# KiCad board Azimuth_PCB (1).kicad_pcb (continued)
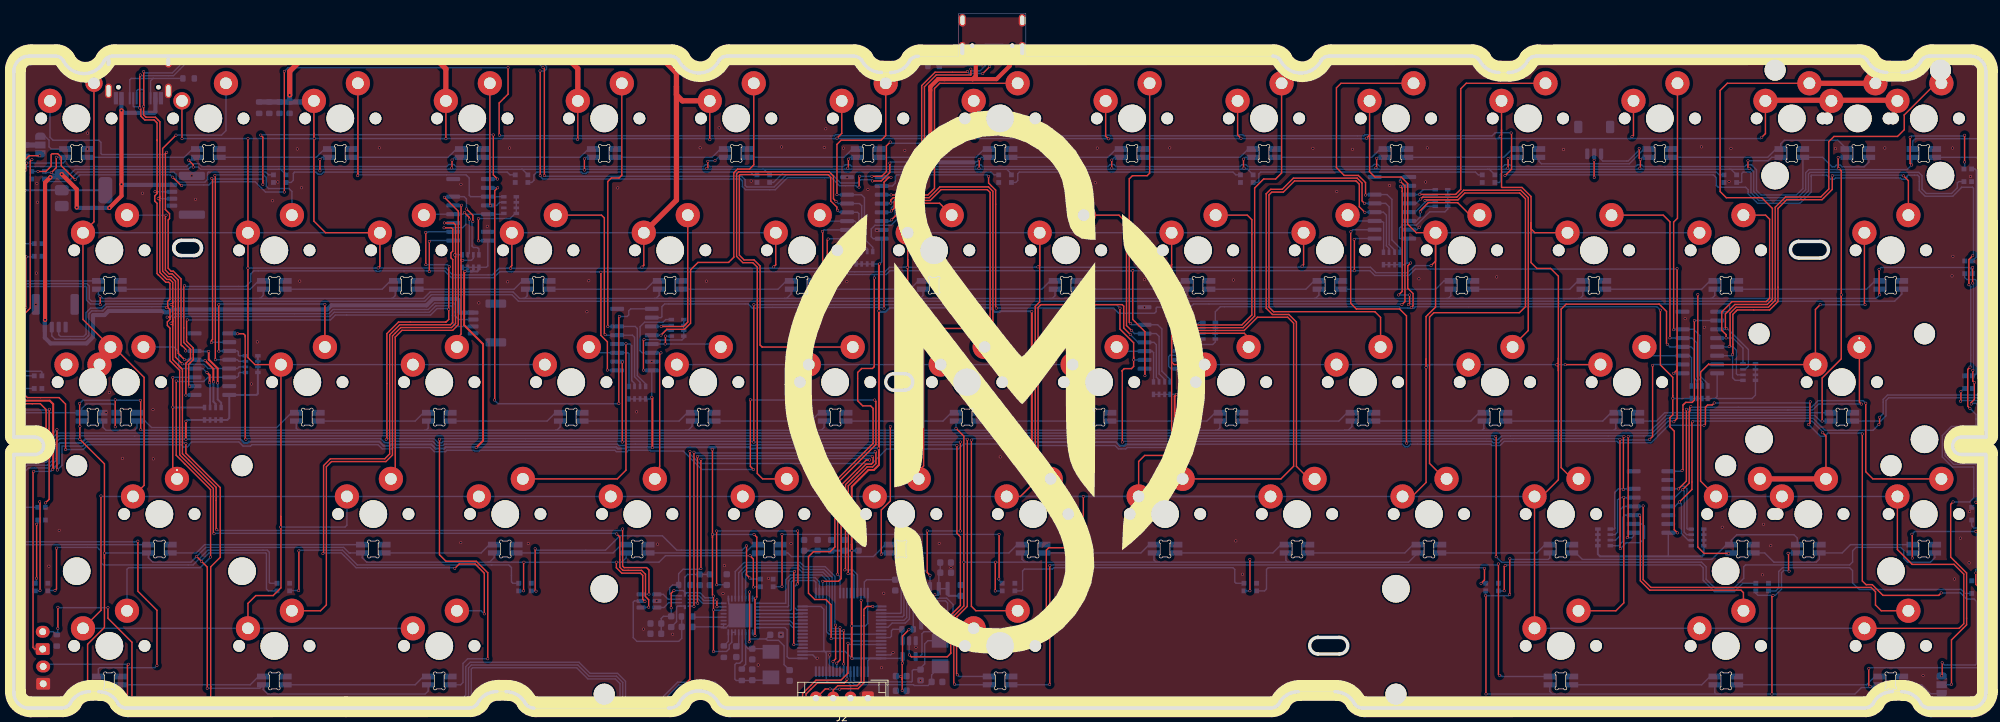
[diagram p0: board, top side]
## Routing (per net, layer and track width the routed paths; a pad name or vN(x,y) marks a point on that pad's centre or on a via; arc(x,y) is an arc through that point) (continued)
Net-(SW36-DOUT): length 16.3
  Bottom w0.2: SW37.4 173.43,42.67 172.23,41.47 SW36.5
Net-(SW37-DOUT): length 16.3
  Bottom w0.2: SW37.5 191.28,41.47 192.48,42.67 SW38.4
Net-(SW38-DOUT): length 16.3
  Bottom w0.2: SW38.5 210.33,41.47 211.53,42.67 SW39.4
Net-(SW39-DOUT): length 16.3
  Bottom w0.2: SW40.4 230.58,42.67 229.38,41.47 SW39.5
Net-(SW40-DOUT): length 28.3
  Bottom w0.2: SW40.5 237.13,41.47 238.33,42.67 SW41.4
Net-(SW41-DOUT): length 69.3
  Bottom w0.2: 284.11,74.6 284.11,45.42 283.53,44.83 270.66,44.83 270.27,44.44 270.27,42.23 269.51,41.47 SW41.5 ; 284.11,74.6 284.11,74.6 ; 284.11,74.6 284.11,81.6 283.45,82.26 274.49,82.26 274.13,81.9 SW42.4
Net-(SW42-DOUT): length 361.6
  Top w0.2: v1(269.25,40.97) 269.35,41.08 v1(269.35,42.02)
  Bottom w0.2: v1(269.35,42.02) 269.87,42.54 269.87,44.61 270.49,45.23 283.36,45.23 283.71,45.58 283.71,77.57 283.71,79.18 283.31,79.57 SW42.5 ; v1(269.25,40.97) 268.41,40.14 261.49,40.14 259.75,41.87 238.66,41.87 236.53,39.74 6.31,39.74 5.28,38.7 5.28,36.1 4.68,35.5 1.8,35.5 0.73,34.43 0.73,24.27 1.37,23.62 SW43.4
Net-(SW43-DOUT): length 28.2
  Bottom w0.2: SW43.5 26.34,22.42 27.54,23.62 SW44.4
Net-(SW44-DOUT): length 16.3
  Bottom w0.2: SW44.5 67.46,22.42 68.66,23.62 SW45.4
Net-(SW45-DOUT): length 16.3
  Bottom w0.2: SW46.4 87.71,23.62 86.51,22.42 SW45.5
Net-(SW46-DOUT): length 16.3
  Bottom w0.2: 91.59,22.42 105.56,22.42 106.76,23.62 SW47.4
Net-(SW47-DOUT): length 16.8
  Bottom w0.2: SW47.5 111.74,22.42 112.26,21.9 124.09,21.9 125.81,23.62 SW48.4
Net-(SW48-DOUT): length 16.3
  Bottom w0.2: SW48.5 143.66,22.42 144.86,23.62 SW49.4
Net-(SW49-DOUT): length 16.3
  Bottom w0.2: SW49.5 162.71,22.42 163.91,23.62 SW50.4
Net-(SW50-DOUT): length 16.3
  Bottom w0.2: SW50.5 181.76,22.42 182.96,23.62 183.64,23.62
Net-(SW51-DOUT): length 16.3
  Bottom w0.2: SW52.4 202.01,23.62 200.81,22.42 SW51.5
Net-(SW52-DOUT): length 16.3
  Bottom w0.2: SW53.4 221.06,23.62 219.86,22.42 SW52.5
Net-(SW55-DOUT): length 362.9
  Top w0.2: v1(214,21.87) 214,39.18 v1(213.94,39.24) ; v1(17.91,24.12) 17.91,16.89 20.66,14.14 v1(20.66,6.16)
  Bottom w0.2: v1(17.91,24.12) 17.81,24.02 1.54,24.02 1.13,24.44 1.13,34.27 1.96,35.1 4.84,35.1 5.68,35.94 5.68,38.54 6.48,39.34 17.45,39.34 17.4,39.34 213.84,39.34 v1(213.94,39.24) ; SW56.4 12.19,5.66 12.38,5.84 20.34,5.84 v1(20.66,6.16) ; v1(214,21.87) 214.78,21.09 243.64,21.09 244.31,20.42 244.31,18.62 245.7,17.23 245.7,17.22 248.2,17.22 249.74,18.76 249.74,20.42 250,20.69 265.02,20.69 265.46,21.12 265.46,22.73 265.95,23.22 272.38,23.22 272.84,22.77 272.84,21.64 273.39,21.09 276.68,21.09 277.33,21.74 SW55.5
Net-(SW56-DOUT): length 21.1
  Bottom w0.2: SW57.4 35.32,4.57 34.12,3.37 SW56.5
Net-(SW57-DOUT): length 21.1
  Bottom w0.2: SW58.4 59.13,4.57 57.93,3.37 SW57.5
Net-(SW58-DOUT): length 161.4
  Top w0.2: v1(137.65,38.84) 137.65,14.7 136.1,13.15 136.1,4.94 v1(136.23,4.81) ; v1(61.45,38.84) 61.45,22.16 62.39,21.22 66.76,21.22 68.42,19.56 v1(68.42,7.13)
  Bottom w0.2: v1(61.45,38.84) 61.47,38.84 61.57,38.94 137.55,38.94 v1(137.65,38.84) ; v1(136.23,4.81) 136.46,4.58 140.78,4.58 ; SW58.5 64.5,3.37 64.84,3.71 64.84,6.46 65.51,7.13 v1(68.42,7.13)
Net-(SW59-DOUT): length 111.1
  Top w0.2: v1(214.33,20.84) 214.33,4.88 v1(214.48,4.73) ; v1(149.54,3.43) 149.56,3.45 v1(149.56,20.59)
  Bottom w0.2: v1(149.56,20.59) 149.66,20.69 214.18,20.69 v1(214.33,20.84) ; v1(149.54,3.43) 149.48,3.38 SW59.5 ; SW60.4 214.85,4.57 214.7,4.73 v1(214.48,4.73)
Net-(SW60-DOUT): length 21.1
  Bottom w0.2: SW61.4 244.87,4.57 243.67,3.37 SW60.5
Net-(SW61-DOUT): length 21.1
  Bottom w0.2: SW62.4 268.68,4.57 267.48,3.37 SW61.5
Net-(SW2001-DIN): length 35.9
  Bottom w0.2: SW2001.4 257.46,24.58 256.99,25.05 248.74,25.05 247.94,24.25 SW54.4 247.25,23.62 245.12,21.49 226.44,21.49 225.5,22.42 SW53.5
Net-(SW2001-DOUT): length 25.1
  Bottom w0.2: SW54.5 252.75,22.42 254.09,21.09 260.21,21.09 260.66,21.54 SW2001.5 263.95,22.42 265.15,23.62 SW55.4
Net-(SW2002-DIN): length 309.7
  Bottom w0.2: SW29.4 14.65,42.8 14.65,43.65 14.36,43.94 10.46,43.94 9.81,43.3 SW2002.4 1.46,42.67 0.8,43.34 0.8,60.91 1.21,61.32 10.53,61.32 10.9,60.96 10.9,59.1 11.21,58.79 59.33,58.79 60.27,59.72 71.91,59.72 72.84,58.79 271.52,58.79 272.57,59.84 SW28.5
Net-(SW2002-DOUT): length 31.4
  Bottom w0.2: SW30.4 40.08,42.67 37.95,40.54 19.88,40.54 18.95,41.47 SW29.5 17.77,40.48 17.43,40.14 13.31,40.14 12.86,40.59 12.86,41.42 SW2002.5
Net-(U1-BOOT0): length 153.7
  Top w0.2: v1(113.87,1.22) 113.87,2.11 115.8,4.04 119.4,4.04 120.42,5.06 v1(120.42,9.38) ; v1(17.03,1.26) 17.05,1.28 17.05,9.52 13.59,12.98 v1(13.59,14.52) ; v1(6.35,11.52) 6.36,11.53 v1(6.36,14.57)
  Bottom w0.2: v1(17.03,1.26) 17.28,1.01 27.47,1.01 28.07,1.61 29.05,1.61 29.16,1.5 64.83,1.5 65.24,1.91 65.24,5.98 65.89,6.63 81.59,6.63 83.2,5.02 87.16,5.02 88.31,3.87 88.31,1.42 93.5,1.42 95.83,3.75 101.23,3.75 103.88,1.11 113.97,1.11 113.97,1.11 v1(113.87,1.22) ; SWboot2.2 5.7,11.04 6.12,10.62 R1.2 6.35,10.77 v1(6.35,11.52) ; v1(6.36,14.57) 6.41,14.52 v1(13.59,14.52) ; U1.60 120.61,9.19 v1(120.42,9.38)
Net-(U1-PC9): length 209.5
  Top w0.2: v1(124.27,44.51) 124.45,44.33 124.45,38.08 118.93,32.56 v1(118.93,19.35) ; v1(106.77,34.48) 106.33,34.92 v1(106.33,44.55) ; v1(7.46,37.36) 7.46,43.93 6.52,44.86 1.95,44.86 1.62,45.2 1.62,57.04 2.36,57.78 2.36,78.99 v1(2.61,79.24)
  Bottom w0.2: v1(2.61,79.24) 2.29,79.24 R15.2 ; v1(106.33,44.55) 106.37,44.51 v1(124.27,44.51) ; v1(118.93,19.35) 119.28,18.99 U1.40 ; v1(106.77,34.48) 99.29,34.48 96.64,37.14 91.98,37.14 91.86,37.26 88.74,37.26 88.54,37.06 86.98,37.06 86.78,37.26 67.29,37.26 67.17,37.14 66.54,37.14 66.42,37.26 62.51,37.26 62.31,37.06 60.71,37.06 60.11,37.66 54.71,37.66 54.51,37.46 53.18,37.46 52.58,38.06 34.36,38.06 34.16,37.86 33.09,37.86 32.49,38.46 25.69,38.46 25.34,38.1 25.34,38.03 25.04,37.74 24.54,37.74 24.22,38.06 10.7,38.06 10,37.36 v1(7.46,37.36)
Net-(U1-PH0): length 19
  Bottom w0.2: Y1.2 131.95,9.74 131.5,9.29 131.5,6.39 130.9,5.79 C3.2 129.87,5.57 129.7,5.39 129.7,3.89 129.6,3.79 121.5,3.79 121.28,4 U1.5
Net-(U1-PH1): length 16.3
  Bottom w0.2: Y1.1 132.5,4.82 C4.2 131.97,3.27 130,3.27 129.87,3.39 121.33,3.39 120.78,3.94 U1.6
Net-(U1-VCAP_1): length 33.6
  Top w0.2: v1(113.1,17.94) 113.2,18.04 113.2,25.56 v1(113.16,25.6) ; v1(101.46,25.59) 101.46,17.83 v1(101.47,17.82)
  Bottom w0.2: v1(101.46,25.59) 101.47,25.6 v1(113.16,25.6) ; U1.31 113.05,14.19 112.63,14.61 112.63,17.48 v1(113.1,17.94) ; v1(101.47,17.82) 102.89,17.82 C2.1
Net-(U1-VCAP_2): length 6.2
  Bottom w0.2: U1.47 122.78,18.23 123.11,18.55 C1.1
Net-(U3-DS): length 83.5
  Top w0.2: v1(28.57,76.52) 28.69,76.4 28.69,53.27 28.53,53.11 v1(28.53,52.81) ; v1(69.82,76.43) 69.22,77.03 v1(69.22,82.81) ; v1(35.65,82.78) 35.95,82.48 v1(35.95,75.67)
  Bottom w0.2: v1(28.53,52.81) 28.59,52.87 U3.10 ; U9.9 68.43,76.43 v1(69.82,76.43) ; v1(35.65,82.78) 35.71,82.84 69.19,82.84 v1(69.22,82.81) ; v1(35.95,75.67) 36.05,75.77 36.05,76.25 35.86,76.44 28.65,76.44 v1(28.57,76.52)
Net-(U5-1D+): length 6.2
  Top w0.2: v1(101.5,15.64) v1(101.5,14.64)
  Bottom w0.2: v1(101.5,15.64) 101.4,15.54 99.61,15.54 98.91,16.24 U5.1 ; v1(101.5,14.64) U7.7
Net-(U5-1D-): length 5.2
  Bottom w0.2: U7.8 99.45,15.14 98.85,15.74 U5.2
Net-(U5-D+): length 3.7
  Bottom w0.2: U5.8 94.45,15.74 93.75,16.44 U6.1
Net-(U5-D-): length 3.7
  Bottom w0.2: U5.7 94.55,15.24 93.85,14.54 U6.3
Net-(U7-RBIAS): length 2.2
  Bottom w0.2: R7.1 103.15,9.64 U7.32
Net-(U7-VBUS): length 4.5
  Bottom w0.2: R5.2 98.12,13.14 U7.4
Net-(U7-VDDA1.8): length 2.2
  Bottom w0.2: U7.29 104.65,9.29 C24.1
Net-(U7-XI): length 13
  Bottom w0.2: U7.28 105.15,6.84 104.8,6.49 104.3,6.49 104.1,6.29 104.1,4.19 104.3,3.99 R6.2 106.55,3.99 C21.2 108.9,4.04 Y3.1
Net-(U7-XO): length 10
  Bottom w0.2: 105.65,9.39 105.65,8.94 106,8.59 C20.2 108.85,8.59 Y3.2 ; 105.65,9.39 105.65,6.34 105.1,5.79 R6.1 ; 105.65,9.39 U7.27
Net-(U10-DS): length 56.5
  Top w0.2: v1(126.64,76.67) 126.31,76.67 125.63,75.99 v1(125.63,57.79)
  Bottom w0.2: v1(125.63,57.79) 125.53,57.89 117.38,57.89 117.2,57.71 116.44,57.71 116.26,57.89 107.44,57.89 107.34,57.79 106.62,57.79 106.02,58.39 93.94,58.39 93.56,58 93.56,56.54 93.43,56.42 U10.10 ; v1(126.64,76.67) 125.32,76.67 U11.9
Net-(U10-Q7): length 68.6
  Top w0.2: v1(69.38,44.52) 69.42,44.57 69.42,74.75 v1(69.85,75.17) ; v1(87.34,44.02) 87.34,56.5 v1(87.42,56.58)
  Bottom w0.2: U10.9 89.05,57.69 88.77,57.4 88.77,56.8 88.55,56.58 v1(87.42,56.58) ; v1(87.34,44.02) 87.29,43.97 69.93,43.97 v1(69.38,44.52) ; v1(69.85,75.17) 69.84,75.17 U9.10
Net-(U11-DS): length 63.6
  Top w0.2: v1(140.72,76.82) 140.72,75.86 141.74,74.84 141.74,57.89 v1(141.84,57.79)
  Bottom w0.2: v1(140.72,76.82) 140.5,77.04 127.47,77.04 127.26,76.82 127.26,75.85 126.84,75.44 U11.10 ; U12.9 165.03,57.92 164.91,57.8 164.91,57.28 164.68,57.05 159.51,57.05 158.77,57.79 v1(141.84,57.79)
Net-(U12-DS): length 53.7
  Top w0.2: v1(200.39,58.29) 200.83,58.73 200.83,75.44 v1(200.15,76.12)
  Bottom w0.2: U14.9 200.28,76.73 200.19,76.64 200.19,76.38 200.15,76.34 v1(200.15,76.12) ; v1(200.39,58.29) 200.29,58.39 170.29,58.39 169.9,57.99 169.9,56.82 169.73,56.65 U12.10
Net-(U13-Q7): length 28.3
  Top w0.2: v1(240.84,34.33) 240.96,34.45 240.96,43.77 241.36,44.17 242.3,44.17 242.61,44.48 v1(242.61,55.99)
  Bottom w0.2: U13.9 240.73,34.23 v1(240.84,34.33) ; U15.10 242.61,56 v1(242.61,55.99)
Net-(U14-DS): length 69.5
  Top w0.2: v1(200.16,75.4) 200.43,75.14 200.43,60.2 v1(199.92,59.69) ; v1(201.5,59.69) 201.5,58.47 v1(201.32,58.29)
  Bottom w0.2: v1(200.16,75.4) 200.23,75.46 U14.10 ; v1(199.92,59.69) v1(201.5,59.69) ; U15.9 247.5,57.27 247.7,57.46 247.7,58.2 247.51,58.39 201.42,58.39 v1(201.32,58.29)

## Copper pours and planes (outline as drawn; the poured copper is in the pictures)
GND on Top, Bottom: 325.48,126.71 -17.95,123.03 -14.02,-24.64 309.39,-23.52

Small or netless copper shapes (teardrops, artwork), in the pictures only: 1 on Top, 312 on Bottom

## Text on the board
B.Mask: LE QUOC TRONG | Polling rate : 8000hz
